# Allegro board HB1A-AAFM.brd (continued)
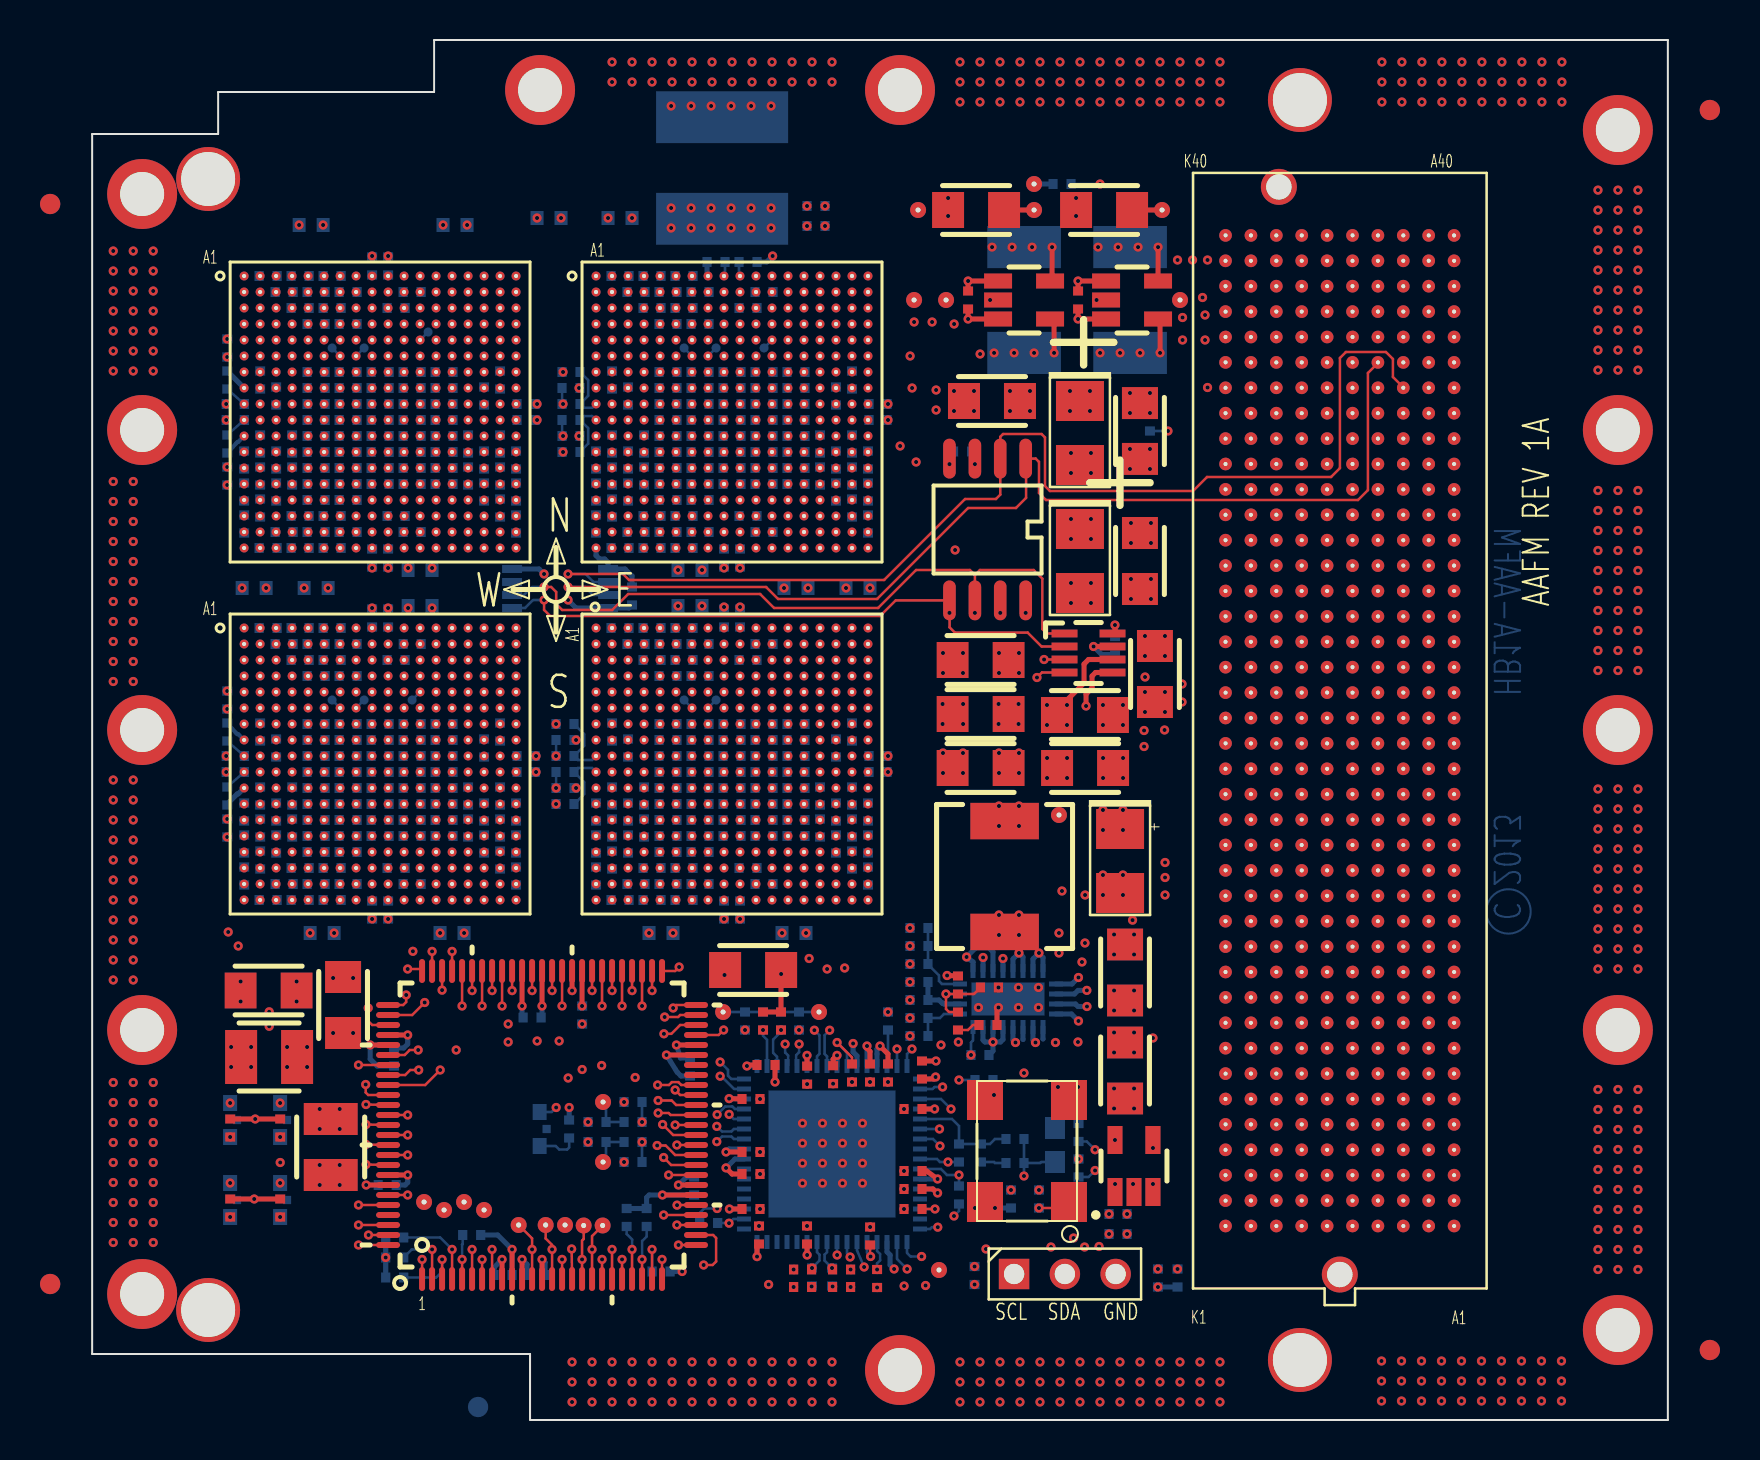
[diagram p0: board, top side]
## Routing (per net, layer and track width the routed paths; a pad name or vN(x,y) marks a point on that pad's centre or on a via; arc(x,y) is an arc through that point) (continued)
LR_TXO_EA_DATA_N_3: length 44.8
  SIGNAL_L7-Y w0.089: v1(53.05,19.1) 52.1,20.05 50.8,20.05 50.25,20.6 50.25,20.85 50.01,21.09 48.54,21.09 47.75,21.88 47.75,23.62 47.58,23.8 46.13,23.8 45.93,23.6 44.87,23.6 44.78,23.69 44.78,24.41 44.69,24.5 44.51,24.5 44.42,24.41 44.42,23.69 44.33,23.6 44.16,23.6 44.07,23.69 44.07,24.41 43.98,24.5 43.8,24.5 43.71,24.41 43.71,23.69 43.62,23.6 43.05,23.6 42.73,23.93 42.73,24.88 42.1,25.5 41.98,25.5 40.53,26.95 40.53,27.2 40.62,27.28 41.17,27.28 41.25,27.37 41.25,27.55 41.17,27.64 40.62,27.64 40.53,27.73 40.53,27.91 40.62,28 41.17,28 41.25,28.09 41.25,28.26 41.17,28.35 40.62,28.35 40.53,28.44 40.53,30.7 41.18,31.35 41.18,34.4 40.6,34.98 40.6,36.52 39.93,37.2 U8.D18
  SIGNAL_L8-X w0.089: P1.F8 61.74,18.59 61.26,18.11 54.29,18.11 53.65,18.75 53.4,18.75 v1(53.05,19.1)
LR_TXO_EA_DATA_N_4: length 44.7
  SIGNAL_L14-Y w0.114: v1(54.5,35.9) 54.5,32.02 54.1,31.62 54.1,25.89 53.84,25.62 53.84,23.59 55.35,22.07 56.03,22.07 56.3,21.8 56.85,21.8 57.28,21.38 57.28,18.32 57.6,18 62.35,18 P1.E7
  SIGNAL_L15-X w0.114: v1(54.5,35.9) 52.2,35.9 51.8,36.3 40.81,36.3 40.53,36.02 36.79,36.02 36.41,36.4 U8.E15
LR_TXO_EA_DATA_N_5: length 44.7
  SIGNAL_L14-Y w0.114: v1(54.5,36.8) 55.8,36.8 56.03,36.57 56.03,29.89 55.91,29.77 55.3,29.77 55.18,29.65 55.18,29.41 55.3,29.29 55.91,29.29 56.03,29.17 56.03,28.93 55.91,28.81 55.3,28.81 55.18,28.69 55.18,28.45 55.3,28.33 55.91,28.33 56.03,28.21 56.03,27.97 55.91,27.85 55.3,27.85 55.18,27.73 55.18,27.49 55.3,27.37 55.91,27.37 56.03,27.25 56.03,26.44 55.41,25.82 54.6,25.82 54.48,25.7 54.48,25.46 54.6,25.34 55.41,25.34 55.53,25.22 55.53,24.98 55.41,24.86 54.6,24.86 54.48,24.74 54.48,24.5 54.6,24.38 55.41,24.38 55.53,24.26 55.53,24.02 55.41,23.9 54.6,23.9 54.48,23.78 54.48,23.45 54.93,23 56.08,23 P1.K11
  SIGNAL_L15-X w0.114: v1(54.5,36.8) 53.66,36.8 52.85,37.6 47.16,37.6 46.98,37.77 41.25,37.77 40.28,36.8 37.58,36.8 37.2,37.18 U8.D16
LR_TXO_EA_DATA_N_6: length 45
  SIGNAL_L7-Y w0.089: U8.C17 38.4,37.6 40.16,37.6 40.95,36.8 40.95,35.17 41.48,34.65 41.48,30.93 41.63,30.77 41.63,30.54 41.54,30.45 40.87,30.45 40.78,30.37 40.78,30.19 40.87,30.1 41.54,30.1 41.63,30.01 41.63,29.83 41.54,29.74 40.87,29.74 40.78,29.65 40.78,29.48 40.87,29.39 41.54,29.39 41.63,29.3 41.63,29.12 41.54,29.03 40.87,29.03 40.78,28.94 40.78,28.76 40.87,28.68 41.54,28.68 41.63,28.59 41.63,26.32 41.77,26.19 41.89,26.19 42.37,26.66 42.49,26.66 42.62,26.54 42.62,26.41 42.14,25.94 42.14,25.81 42.27,25.68 42.39,25.68 42.87,26.16 42.99,26.16 43.12,26.03 43.12,25.91 42.65,25.43 42.65,25.31 43.16,24.8 43.44,24.8 43.53,24.89 43.53,25.09 43.62,25.18 43.8,25.18 43.89,25.09 43.89,24.89 43.98,24.8 44.35,24.8 44.44,24.89 44.44,25.36 44.53,25.45 44.7,25.45 44.79,25.36 44.79,24.89 45.06,24.62 47.25,24.62 48.03,23.85 48.72,23.85 48.81,23.94 48.81,24.74 48.9,24.82 49.08,24.82 49.17,24.74 49.17,23.94 49.26,23.85 v1(49.65,23.85)
  SIGNAL_L8-X w0.089: P1.J10 57.93,21.13 57.37,20.57 54.51,20.57 53.57,21.51 53.57,21.68 53.86,21.97 53.86,22.14 53.69,22.31 53.52,22.31 53.23,22.02 53.06,22.02 52.75,22.32 51.17,22.32 v1(49.65,23.85)
LR_TXO_EA_DATA_N_7: length 44.8
  SIGNAL_L7-Y w0.089: v1(48.5,26.45) 48.5,26.91 45.91,29.5 45.91,33.64 45.78,33.76 45.75,33.76 45.63,33.88 45.63,34.12 45.75,34.24 45.78,34.24 45.91,34.36 45.91,36.22 45.78,36.34 45.45,36.34 45.33,36.46 45.33,36.7 45.45,36.82 45.78,36.82 45.91,36.94 45.91,37.67 45.73,37.85 42.17,37.85 42.09,37.94 42.09,38.31 42,38.4 41.82,38.4 41.73,38.31 41.73,37.94 41.64,37.85 41.1,37.85 40.88,38.08 40.88,39.5 40.61,39.77 40.39,39.77 40.27,39.89 40.27,41.38 40.15,41.5 39.91,41.5 39.79,41.38 39.79,41.02 39.67,40.9 38.33,40.9 38.2,40.78 38.2,40.54 38.33,40.42 39.67,40.42 39.79,40.3 39.79,39.89 39.67,39.77 39.35,39.77 39.23,39.65 39.23,39.23 U8.B18
  SIGNAL_L8-X w0.089: v1(48.5,26.45) 48.88,26.45 49.58,25.75 52.03,25.75 54.59,23.19 60.96,23.19 61.75,22.4 P1.F11
LR_TXO_EA_DATA_P_0: length 44.9
  SIGNAL_L5-X w0.114: U8.H15 36.4,34 36,33.6 36,25.65 36.28,25.38 36.5,25.38 36.75,25.12 v1(36.75,22.55)
  SIGNAL_L15-X w0.114: P1.E2 63.03,10.97 62.41,11.6 55.45,11.6 54.78,12.28 52.16,12.28 50.16,14.28 47.58,14.28 46.48,15.38 46.48,16.02 44.95,17.55 41.91,17.55 41.6,17.85 41.6,19.27 41.25,19.62 38.7,19.62 36.75,21.57 v1(36.75,22.55)
LR_TXO_EA_DATA_P_1: length 45
  SIGNAL_L8-X w0.089: v1(52.6,33.67) 51.66,33.67 51,34.33 49.77,34.33 49.68,34.41 49.68,34.79 49.59,34.88 49.41,34.88 49.33,34.79 49.33,34.41 49.24,34.33 47.23,34.33 47.16,34.4 37.6,34.4 U8.G16
  SIGNAL_L14-Y w0.114: P1.K7 53.76,17.32 53.55,17.52 50.98,17.52 50.35,18.15 50.35,23.77 49.15,24.98 49.15,26.9 49.03,27.02 48.52,27.02 48.41,27.14 48.41,27.38 48.52,27.5 49.03,27.5 49.15,27.62 49.15,27.86 49.03,27.98 48.52,27.98 48.41,28.1 48.41,28.34 48.52,28.46 49.03,28.46 49.15,28.58 49.15,28.87 48.93,29.09 48.93,29.33 49.05,29.45 49.16,29.45 49.28,29.57 49.28,32.38 49.49,32.59 52.02,32.59 52.6,33.17 v1(52.6,33.67)
LR_TXO_EA_DATA_P_2: length 44.9
  SIGNAL_L7-Y w0.089: v1(46.6,17.35) 46.05,17.35 45.85,17.15 45.06,17.15 44.94,17.27 44.94,18.18 44.82,18.3 44.58,18.3 44.46,18.18 44.46,17.27 44.34,17.15 43.85,17.15 43.45,17.55 41.85,17.55 41.61,17.79 41.61,19.27 41.29,19.59 40.47,19.59 40.19,19.86 40.19,20.7 39.3,21.59 39.3,22.15 39.21,22.24 38.44,22.24 38.35,22.32 38.35,22.5 38.44,22.59 39.21,22.59 39.3,22.68 39.3,22.86 39.21,22.95 38.44,22.95 38.35,23.04 38.35,23.21 38.44,23.3 39.21,23.3 39.3,23.39 39.3,23.57 39.21,23.66 38.44,23.66 38.35,23.75 38.35,23.93 38.44,24.02 39.21,24.02 39.3,24.11 39.3,35 39.1,35.2 38.4,35.2 U8.F17
  SIGNAL_L8-X w0.089: v1(46.6,17.35) 46.85,17.1 52.35,17.1 52.8,16.66 53.91,16.66 54.35,17.1 55.75,17.1 56.25,16.6 57.4,16.6 P1.J6
LR_TXO_EA_DATA_P_3: length 44.7
  SIGNAL_L7-Y w0.089: v1(43.32,18.9) 43.34,18.93 43.7,18.93 43.88,19.1 43.88,19.69 43.79,19.78 43.17,19.78 43.08,19.87 43.08,20.05 43.17,20.14 43.79,20.14 43.88,20.23 43.88,20.4 43.79,20.49 43.17,20.49 43.08,20.58 43.08,20.76 43.17,20.85 43.79,20.85 43.88,20.94 43.88,21.57 43.66,21.8 41.88,21.8 41.33,22.35 41.33,25.23 40.48,26.07 40.16,26.07 39.91,26.32 39.91,31.23 40.55,31.88 40.55,33.98 39.98,34.55 39.98,36 39.58,36.4 U8.E18
  SIGNAL_L8-X w0.089: v1(43.32,18.9) 43.58,18.64 44.11,18.64 44.79,17.96 47.05,17.96 47.29,17.72 52.27,17.72 52.9,18.35 53.6,18.35 54.15,17.8 61.3,17.8 61.76,17.34 P1.F7
LR_TXO_EA_DATA_P_4: length 45
  SIGNAL_L5-X w0.114: v1(35.85,23.07) 35.16,23.77 35.16,24.85 34.41,25.6 34.41,34.25 34.55,34.4 34.95,34.4 35.2,34.65 35.2,35.1 35.3,35.2 36,35.2 36.4,35.59 U8.F15
  SIGNAL_L15-X w0.114: P1.E6 62.41,16.68 54.91,16.68 53.66,17.93 46.35,17.93 45.6,18.68 45.6,19.15 44.78,19.98 42.88,19.98 41.41,21.45 39.8,21.45 38.18,23.07 v1(35.85,23.07)
LR_TXO_EA_DATA_P_5: length 45.1
  SIGNAL_L8-X w0.089: v1(53.63,34.5) 54.03,34.9 54.03,35.77 53.83,35.98 52.35,35.98 50.68,37.65 49.6,37.65 49.51,37.56 49.51,37.31 49.42,37.23 49.25,37.23 49.16,37.31 49.16,37.56 49.07,37.65 46.98,37.65 46.73,37.9 41.33,37.9 39.44,36.01 37.59,36.01 37.2,36.4 U8.E16
  SIGNAL_L14-Y w0.114: v1(53.63,34.5) 53.63,32.02 52.6,31 52.6,22.27 52.89,21.99 53.06,21.99 53.42,22.34 53.59,22.34 53.76,22.17 53.76,22 53.4,21.65 53.4,21.48 53.75,21.13 54.04,21.13 54.16,21.01 54.16,19.62 54.28,19.5 54.52,19.5 54.64,19.62 54.64,21.01 54.76,21.13 55,21.13 55.12,21.01 55.12,19.62 55.24,19.5 55.48,19.5 55.6,19.62 55.6,21.01 55.72,21.13 P1.K10
LR_TXO_EA_DATA_P_6: length 44.9
  SIGNAL_L7-Y w0.089: v1(49.3,18.9) 48.94,19.27 48.11,19.27 48.02,19.35 48.02,19.66 47.94,19.75 47.76,19.75 47.67,19.66 47.67,19.35 47.58,19.27 47.14,19.27 46.9,19.5 46.9,22.43 46.65,22.68 46.13,22.68 46.04,22.59 46.04,22.14 45.95,22.05 45.77,22.05 45.68,22.14 45.68,22.59 45.59,22.68 45.42,22.68 45.33,22.59 45.33,22.14 45.24,22.05 45.06,22.05 44.97,22.14 44.97,22.59 44.88,22.68 44.7,22.68 44.62,22.59 44.62,22.14 44.53,22.05 44.35,22.05 44.26,22.14 44.26,22.59 44.17,22.68 43.99,22.68 43.9,22.59 43.9,22.14 43.81,22.05 43.64,22.05 43.55,22.14 43.55,22.59 43.46,22.68 42.23,22.68 41.6,23.3 41.6,23.76 41.69,23.85 42.27,23.85 42.35,23.94 42.35,24.12 42.27,24.21 41.69,24.21 41.6,24.3 41.6,24.47 41.69,24.56 42.27,24.56 42.35,24.65 42.35,24.83 42.27,24.92 41.69,24.92 41.6,25.01 41.6,25.45 40.2,26.85 40.2,30.93 40.88,31.6 40.88,34.12 40.28,34.73 40.28,36.2 39.68,36.8 38.4,36.8 U8.D17
  SIGNAL_L8-X w0.089: v1(49.3,18.9) 50.3,19.9 55.78,19.9 56.3,19.38 57.48,19.38 57.95,19.85 P1.J9
LR_TXO_EA_DATA_P_7: length 45.1
  SIGNAL_L7-Y w0.089: U8.C18 39.84,38 39.96,38.12 39.96,39.23 40.08,39.35 40.32,39.35 40.44,39.23 40.44,37.94 41.28,37.1 41.28,35.42 41.91,34.8 41.91,27.75 42.24,27.41 42.37,27.41 42.67,27.71 42.8,27.71 42.92,27.58 42.92,27.46 42.62,27.16 42.62,27.03 43.08,26.57 43.55,26.57 44.38,25.75 44.92,25.75 45.01,25.84 45.01,26.66 45.1,26.75 45.27,26.75 45.36,26.66 45.36,25.84 45.45,25.75 45.63,25.75 45.72,25.84 45.72,26.66 45.81,26.75 45.99,26.75 46.08,26.66 46.08,25.84 46.16,25.75 47.28,25.75 47.91,25.12 50.05,25.12 50.28,24.9 50.28,23.68 v1(49.5,22.9)
  SIGNAL_L8-X w0.089: P1.F10 61.73,21.13 61.25,20.65 58.35,20.65 58.05,20.35 54.05,20.35 52.48,21.93 50.47,21.93 v1(49.5,22.9)
LR_TXO_EA_FRAME_N: length 44.8
  SIGNAL_L12-X w0.089: P1.E10 63.02,21.13 62.35,21.8 60.2,21.8 59.85,22.15 59.85,22.6 59.4,23.05 54.14,23.05 54.05,22.96 54.05,22.76 53.96,22.68 53.78,22.68 53.7,22.76 53.7,22.96 53.61,23.05 53.25,23.05 52.55,23.75 50.53,23.75 49.98,24.3 49.05,24.3 48.55,24.81 48.55,24.93 48.93,25.32 48.93,25.44 48.81,25.57 48.68,25.57 48.3,25.18 48.17,25.18 47.91,25.45 47.91,26.05 47.6,26.36 47.6,27.16 47.48,27.27 47.24,27.27 47.12,27.16 47.12,26.36 47,26.23 46.76,26.23 46.64,26.36 46.64,27.16 46.52,27.27 46.28,27.27 46.16,27.16 46.16,26.36 46.04,26.23 45.8,26.23 45.68,26.36 45.68,27.16 45.56,27.27 45.32,27.27 45.2,27.16 45.2,26.36 45.08,26.23 44.84,26.23 44.72,26.36 44.72,27.16 44.6,27.27 44.36,27.27 44.24,27.16 44.24,26.36 44.12,26.23 43.88,26.23 43.76,26.36 43.76,27.16 43.64,27.27 43.4,27.27 43.28,27.16 43.28,26.36 43.16,26.23 42.39,26.23 39.03,29.6 36.95,29.6 36.8,29.75 36.8,32.8 U8.J15
LR_TXO_EA_FRAME_P: length 44.8
  SIGNAL_L12-X w0.089: U8.K15 35.98,31.98 35.98,29.01 36.2,28.8 39.1,28.8 39.1,28.77 40.09,27.79 40.09,27.62 39.35,26.88 39.35,26.71 39.52,26.54 39.69,26.54 40.43,27.28 40.6,27.28 40.77,27.11 40.77,26.94 40.03,26.2 40.03,26.03 40.2,25.86 40.37,25.86 41.11,26.6 41.28,26.6 42,25.88 43.15,25.88 43.27,25.75 43.27,25.09 43.39,24.98 43.63,24.98 43.75,25.09 43.75,25.75 43.87,25.88 44.11,25.88 44.23,25.75 44.23,25.09 44.35,24.98 44.59,24.98 44.71,25.09 44.71,25.75 44.83,25.88 46.68,25.88 47.85,24.7 47.85,21.7 48.5,21.05 52.45,21.05 52.95,20.55 53.52,20.55 53.61,20.64 53.61,20.81 53.7,20.9 53.88,20.9 53.97,20.81 53.97,20.64 54.06,20.55 54.23,20.55 54.32,20.64 54.32,20.81 54.41,20.9 54.59,20.9 54.68,20.81 54.68,20.64 54.77,20.55 62.35,20.55 63.03,19.87 P1.E9
LR_TXO_EA_LCLK_N: length 44.9
  SIGNAL_L8-X w0.089: P1.F5 62.53,15.55 62.53,32.75 62.16,33.12 56.53,33.12 55.68,33.98 53.43,33.98 53.16,34.25 53.16,35.52 52.91,35.77 52.13,35.77 51.18,36.73 40.6,36.73 39.48,35.6 U8.F18
LR_TXO_EA_LCLK_P: length 45.1
  SIGNAL_L8-X w0.089: P1.F4 61.16,14.12 61.16,16.38 61.41,16.62 62.03,16.62 62.28,16.88 62.28,31.62 61.91,32 56.43,32 56.13,32.3 56.13,32.58 55.05,33.65 53.23,33.65 52.78,34.1 51.6,34.1 51.03,34.67 51.03,35.05 50.8,35.27 44.62,35.27 44.53,35.19 44.53,35.09 44.44,35 44.27,35 44.18,35.09 44.18,35.19 44.09,35.27 41.91,35.27 41.43,34.8 U8.G18
LR_UR_NS_DATA_N_0: length 29.1
  SIGNAL_L15-X w0.114: U4.V3 26.28,43.08 25.59,43.08 24.68,42.17 24.68,41.04 25.54,40.18 26.12,40.18 26.4,39.9 26.4,39.4 26.6,39.2 27,39.2 27.2,39 27.2,38.6 27.4,38.4 27.8,38.4 28,38.2 28,37.8 28.2,37.6 28.6,37.6 28.8,37.4 28.8,37 29,36.8 29.4,36.8 29.6,36.6 29.6,36.2 29.8,36 30.2,36 30.4,35.8 30.4,35.4 30.6,35.2 31,35.2 31.2,35 31.2,34.6 31.4,34.4 31.8,34.4 32,34.2 32,33.8 32.2,33.6 32.6,33.6 32.8,33.4 32.8,33 33,32.8 35,32.8 35.2,33 35.2,33.4 35,33.6 33,33.6 32.8,33.8 32.8,34.2 33,34.4 34.2,34.4 34.4,34.6 34.4,35 34.2,35.2 33.7,35.2 33.6,35.3 33.6,35.8 33.4,36 33,36 32.8,36.2 32.8,36.8 U8.D11
LR_UR_NS_DATA_N_1: length 29.2
  SIGNAL_L12-X w0.089: U4.U4 27.4,44 27.2,43.8 27.2,43.15 26.99,42.94 25.77,42.94 24.8,41.98 24.8,41.35 25.93,40.22 26.38,40.22 26.6,40 27,40 27.2,39.8 27.2,39.4 27.4,39.2 27.8,39.2 28,39 28,38.6 28.2,38.4 28.6,38.4 28.8,38.6 28.8,39 28.6,39.2 28.2,39.2 28,39.4 28,39.85 28.15,40 30.14,40 30.41,39.73 30.41,35.38 30.6,35.2 31,35.2 31.2,35.4 31.2,39.77 31.42,40 32.65,40 32.8,39.85 32.8,38.6 33,38.4 33.4,38.4 33.6,38.2 U8.C12
LR_UR_NS_DATA_N_2: length 29.4
  SIGNAL_L12-X w0.089: U8.B13 34.4,39.2 34.4,39.75 35.64,40.99 35.86,40.99 35.98,40.87 35.98,40.57 36.1,40.45 36.34,40.45 36.46,40.57 36.46,40.87 36.58,40.99 36.82,40.99 36.94,40.87 36.94,40.57 37.06,40.45 37.3,40.45 37.42,40.57 37.42,40.87 37.54,40.99 37.99,40.99 38.15,41.15 38.15,42.1 37.93,42.32 34.35,42.32 33.13,41.1 30.3,41.1 30.11,40.91 30.11,40.56 30.02,40.47 29.78,40.47 29.7,40.55 29.7,40.95 29.55,41.1 29.14,41.1 28.7,40.66 26.18,40.66 25.35,41.49 25.35,41.9 25.58,42.13 25.58,42.13 25.95,42.5 27.3,42.5 27.78,42.98 28.48,42.98 28.8,43.3 28.8,44.8 U4.T5
LR_UR_NS_DATA_N_3: length 29.2
  SIGNAL_L12-X w0.089: U4.R6 29.6,45.6 29.6,44.2 29.8,44 30.2,44 30.4,43.8 30.4,43.35 30.2,43.15 29.9,43.15 29.7,42.95 29.7,42.3 29.51,42.11 29.14,42.11 28.95,42.3 28.25,42.3 27.65,41.7 27.65,41.45 27.78,41.32 28.32,41.32 28.76,41.76 30.41,41.76 30.86,42.21 32.81,42.21 33.8,43.2 34.15,43.2 34.37,42.98 39.29,42.98 39.69,42.58 39.69,40.26 39.25,39.82 39.25,39.38 39.06,39.2 37.8,39.2 37.6,39 37.6,38.6 37.4,38.4 37,38.4 36.8,38.6 36.8,39.05 36.65,39.2 36,39.2 U8.A14
LR_UR_NS_DATA_N_4: length 29.4
  SIGNAL_L12-X w0.089: U4.V5 28,43.2 27.65,43.2 27.17,42.72 25.86,42.72 25.07,41.93 25.07,41.43 26.06,40.44 26.55,40.44 26.77,40.22 32.6,40.22 34.48,42.1 36.05,42.1 36.2,41.95 36.2,41.6 36.3,41.5 36.6,41.5 36.7,41.6 36.7,41.8 36.85,41.95 37,41.95 37.15,41.8 37.15,41.41 36.95,41.21 35.41,41.21 34.92,40.72 34.75,40.72 34.27,41.2 34.1,41.2 33.93,41.03 33.93,40.86 34.41,40.38 34.41,40.21 34.25,40.05 34.1,40.05 33.61,40.54 33.44,40.54 33.3,40.4 33.3,40.15 33.6,39.85 33.6,38.6 33.8,38.4 34.2,38.4 34.4,38.2 34.4,37.6 U8.D13
LR_UR_NS_DATA_N_5: length 29.1
  SIGNAL_L12-X w0.089: U4.U6 29.4,44 29.6,43.8 29.6,43.4 28.74,42.54 28.14,42.54 27.66,42.06 26.65,42.06 26.4,41.81 26.4,41.2 26.5,41.1 26.71,41.1 26.83,41.22 26.83,41.63 26.95,41.75 27.19,41.75 27.31,41.63 27.31,41.22 27.43,41.1 28.43,41.1 28.87,41.54 30.59,41.54 31.04,41.99 32.94,41.99 33.71,42.76 39.2,42.76 39.47,42.49 39.47,40.35 39.1,39.98 35.38,39.98 35.2,39.8 35.2,38.6 35.4,38.4 U8.C14
LR_UR_NS_DATA_N_6: length 29.1
  SIGNAL_L15-X w0.114: U4.T7 29.6,45.6 29.6,47 29.8,47.2 32.6,47.2 32.8,47 32.8,45 33,44.8 33.4,44.8 33.6,45 33.6,45.4 33.8,45.6 34.2,45.6 34.4,45.8 34.4,46.2 34.6,46.4 39.2,46.4 40.33,45.27 40.62,45.27 41.04,44.85 41.04,39.84 40.79,39.59 40.79,38.79 40.4,38.4 39.8,38.4 39.7,38.3 39.7,37.95 39.6,37.85 39.35,37.85 39.25,37.95 39.25,38.25 39.1,38.4 36.8,38.4 U8.B15
LR_UR_NS_DATA_N_7: length 29.1
  SIGNAL_L15-X w0.114: U4.R8 31.2,45.6 31.2,43.4 31.38,43.22 34.22,43.22 34.4,43.4 34.4,43.79 34.61,44 35,44 35.2,43.8 35.2,43.41 35.4,43.22 35.81,43.22 36,43.4 36,43.8 36.2,44 36.6,44 36.8,43.8 36.8,43.41 37,43.22 37.41,43.22 37.6,43.4 37.6,43.8 37.8,44 38.2,44 38.4,43.8 38.4,43.41 38.6,43.22 39,43.22 39.19,43.4 39.19,44.44 39.35,44.6 39.6,44.6 39.75,44.45 39.75,42.65 39.85,42.55 40.05,42.55 40.15,42.65 40.15,44.45 40.29,44.59 40.46,44.59 40.6,44.45 40.6,40.2 40.3,39.9 40,39.9 39.55,39.45 39.35,39.45 39.2,39.6 39.2,39.85 39.05,40 37.6,40 U8.A16
LR_UR_NS_DATA_P_0: length 29.2
  SIGNAL_L15-X w0.114: U4.V2 25.7,43.3 25.5,43.3 25.3,43.1 25,43.1 24.3,42.4 24.3,40.8 24.8,40.3 25.1,40.3 25.6,39.8 25.6,39.4 25.8,39.2 26.2,39.2 26.4,39 26.4,38.6 26.6,38.4 27,38.4 27.2,38.2 27.2,37.8 27.4,37.6 27.8,37.6 28,37.4 28,37 28.2,36.8 28.6,36.8 28.8,36.6 28.8,36.2 29,36 29.4,36 29.6,35.8 29.6,35.4 29.8,35.2 30.2,35.2 30.4,35 30.4,34.6 30.6,34.4 31,34.4 31.2,34.2 31.2,33.8 31.4,33.6 31.8,33.6 32,33.4 32,33 32.2,32.8 32.6,32.8 32.8,32.6 32.8,32.2 33,32 35,32 35.2,32.2 35.2,32.6 35.4,32.8 36.6,32.8 36.8,33 36.8,33.4 36.6,33.6 35.4,33.6 35.2,33.8 35.2,35.8 35,36 34.6,36 34.4,36.2 34.4,36.6 34.2,36.8 U8.D12
LR_UR_NS_DATA_P_1: length 29.1
  SIGNAL_L15-X w0.114: U4.U3 27.2,44 27.2,43.4 26.66,42.86 25.68,42.86 24.9,42.08 24.9,41.13 25.63,40.4 27,40.4 27.2,40.2 27.2,39.4 27.4,39.2 27.8,39.2 28,39 28,38.6 28.2,38.4 28.6,38.4 28.8,38.2 28.8,37.8 29,37.6 29.4,37.6 29.6,37.4 29.6,37 29.81,36.78 30.21,36.78 30.4,36.6 30.4,36.2 30.6,36 31,36 31.2,35.8 31.2,35.4 31.4,35.2 31.8,35.2 32,35 32,34.6 32.2,34.4 32.6,34.4 32.8,34.6 32.8,35.8 32.6,36 31.4,36 31.2,36.2 31.2,36.6 31,36.8 30.6,36.8 30.4,37 30.4,37.4 30.2,37.6 29.8,37.6 29.6,37.8 29.6,38.2 29.8,38.4 34.4,38.4 U8.C13
LR_UR_NS_DATA_P_2: length 29.3
  SIGNAL_L15-X w0.114: U8.B14 35.4,39.2 35.2,39.4 35.2,39.84 35.04,40 34.05,40 33.9,40.15 33.9,41.05 34.03,41.19 35.09,41.19 35.4,40.88 36.62,40.88 36.74,41 36.74,41.33 36.86,41.45 37.1,41.45 37.22,41.33 37.22,41 37.34,40.88 38,40.88 38.2,41.08 38.2,41.85 38.06,41.99 33.9,41.99 33.22,41.31 28.69,41.31 28.25,40.87 25.79,40.87 25.34,41.31 25.34,41.89 25.86,42.41 27.51,42.41 28,42.9 28,44.6 27.8,44.8 U4.T4
LR_UR_NS_DATA_P_3: length 29.3
  SIGNAL_L15-X w0.114: U4.R5 28,45.6 28,45 28.2,44.8 29.36,44.8 29.4,44.8 29.6,44.6 29.6,43.4 29.38,43.17 28.99,43.17 27.78,41.97 26.04,41.97 25.78,41.71 25.78,41.53 26.01,41.31 26.15,41.31 26.39,41.55 26.6,41.55 26.84,41.31 26.97,41.31 27.21,41.55 27.45,41.55 27.69,41.31 27.91,41.31 28.35,41.75 32.75,41.75 33.43,42.43 38.77,42.43 39.3,41.9 39.3,41.35 39.15,41.2 38.9,41.2 38.81,41.11 38.81,40.94 38.9,40.85 39.2,40.85 39.3,40.75 39.3,40.55 39.19,40.44 36.55,40.44 36.4,40.29 U8.A15
LR_UR_NS_DATA_P_4: length 29.2
  SIGNAL_L15-X w0.114: U8.D14 35.2,37.6 35.2,39 35,39.2 28.2,39.2 28,39.4 28,39.8 28.2,40 30.6,40 30.75,40.15 33.35,40.15 33.6,40.4 33.6,40.7 33.21,41.09 28.89,41.09 28.45,40.65 25.7,40.65 25.12,41.22 25.12,41.99 25.77,42.63 27.23,42.63 27.6,43 U4.V4
LR_UR_NS_DATA_P_5: length 29.1
  SIGNAL_L15-X w0.114: U4.U5 28.8,44 28.8,43.3 27.69,42.19 25.95,42.19 25.56,41.8 25.56,41.44 25.91,41.09 28.09,41.09 28.53,41.53 33,41.53 33.68,42.21 38.24,42.21 38.48,41.98 38.48,40.84 38.3,40.66 35.31,40.66 35,40.97 34.5,40.97 34.25,40.72 34.25,40.45 34.48,40.22 35.68,40.22 36,39.9 36,38.4 U8.C15
LR_UR_NS_DATA_P_6: length 29.1
  SIGNAL_L15-X w0.114: U8.B16 36.8,39.2 36.8,39.9 37.12,40.22 40.22,40.22 40.3,40.3 40.3,40.49 40.2,40.6 39.62,40.6 39.52,40.7 39.52,40.92 39.6,41 40.2,41 40.3,41.1 40.3,41.3 40.2,41.4 39.62,41.4 39.52,41.5 39.52,41.72 39.6,41.8 40.2,41.8 40.3,41.9 40.3,42.07 40.19,42.19 39.61,42.19 39.4,42.4 39.4,42.85 39.25,42.99 38.26,42.99 38.02,42.75 35.88,42.75 35.63,42.99 35.4,42.99 35.16,42.75 34.91,42.75 34.67,42.99 34.44,42.99 34.2,42.75 33.95,42.75 33.71,42.99 33.49,42.99 32.6,42.1 32.2,42.1 32,42.3 32,42.84 31.85,42.99 31.34,42.99 31.2,42.85 31.2,42.3 31,42.1 28.9,42.1 28.7,42.3 28.7,42.58 29.06,42.94 30.14,42.94 30.4,43.2 30.4,44.6 30.2,44.8 29.8,44.8 29.6,45 U4.T6
LR_UR_NS_DATA_P_7: length 29.2
  SIGNAL_L15-X w0.114: U4.R7 30.4,46.4 31.8,46.4 32,46.2 32,44.2 32.2,44 34.2,44 34.4,44.2 34.4,45.38 34.62,45.6 35,45.6 35.2,45.4 35.2,44.2 35.4,44 35.8,44 36,44.2 36,45.4 36.2,45.6 36.6,45.6 36.8,45.4 36.8,44.2 37,44 37.4,44 37.6,44.2 37.6,45.4 37.8,45.6 39,45.6 39.65,44.95 40.6,44.95 40.82,44.73 40.82,40.02 40.57,39.77 40.57,39.02 40.25,38.7 39.95,38.7 39.45,39.2 38.4,39.2 U8.A17
LR_UR_NS_FRAME_N: length 30.7
  SIGNAL_L12-X w0.089: U8.D9 32.15,36.8 32.55,36.8 32.8,36.55 32.8,36.25 33.05,36 33.4,36 33.6,35.8 33.6,35.4 33.8,35.2 39.1,35.2 39.9,36 39.9,37.25 40.57,37.92 40.57,44.13 39.47,45.23 39.47,45.93 39.02,46.38 32.98,46.38 32.8,46.2 32.8,45.8 32.6,45.6 31.4,45.6 31.2,45.4 31.2,45.05 U4.U8
LR_UR_NS_FRAME_P: length 30.6
  SIGNAL_L8-X w0.089: U8.D10 32,36.8 29.8,36.8 29.6,36.6 29.6,36.2 29.4,36 29,36 28.8,36.2 28.8,36.6 28.6,36.8 28.2,36.8 28,37 28,37.4 27.8,37.6 27.4,37.6 27.2,37.8 27.2,38.2 27,38.4 26.6,38.4 26.4,38.6 26.4,39 26.2,39.2 25.8,39.2 25.6,39.4 25.6,39.8 25.25,40.15 25.05,40.15 24.25,40.95 24.25,41.95 25.6,43.3 25.6,43.8 25.8,44 26.2,44 26.4,44.2 26.4,44.6 26.6,44.8 27,44.8 27.2,45 27.2,45.4 27.4,45.6 27.8,45.6 28,45.8 28,46.2 28.2,46.4 28.6,46.4 28.8,46.6 28.8,47 29,47.2 29.4,47.2 29.6,47.4 29.6,47.8 29.8,48 30.2,48 30.4,48.2 30.4,48.6 30.6,48.8 31.05,48.8 31.2,48.65 31.2,44.2 31,44 30.4,44 U4.U7
LR_UR_NS_LCLK_N: length 29.3
  SIGNAL_L8-X w0.089: U8.A12 33.6,39.8 33.4,40 33.05,40 32.8,40.25 31.65,40.25 31.2,39.8 31.2,39.4 31,39.2 30.6,39.2 30.4,39 30.4,37.8 30.2,37.6 29.8,37.6 29.6,37.4 29.6,37 29.4,36.8 29,36.8 28.8,37 28.8,37.4 28.6,37.6 28.2,37.6 28,37.8 28,38.2 27.8,38.4 27.4,38.4 27.2,38.6 27.2,39 27,39.2 26.6,39.2 26.4,39.4 26.4,39.8 26.2,40 25.71,40 24.52,41.19 24.52,41.91 25.81,43.2 26.2,43.2 26.4,43.4 26.4,43.8 26.6,44 27,44 27.2,44.2 27.2,44.6 27.4,44.8 27.8,44.8 28,45 28,45.4 28.2,45.6 28.6,45.6 28.8,45.8 28.8,46.2 29,46.4 29.4,46.4 29.6,46.6 29.6,47 29.8,47.2 30.2,47.2 30.4,47 30.4,45.01 30.2,44.8 29.8,44.8 29.6,44.6 29.6,44 U4.V7
LR_UR_NS_LCLK_P: length 29.3
  SIGNAL_L12-X w0.089: U8.A13 35,39.95 35.25,40.2 37.5,40.2 37.65,40.35 37.65,40.65 37.77,40.77 38,40.77 38.1,40.67 38.1,40.35 38.24,40.2 38.9,40.2 39.2,40.51 39.2,41.05 39.05,41.2 38.65,41.2 38.51,41.35 38.51,41.9 38.66,42.05 39.1,42.05 39.25,42.2 39.25,42.4 39.11,42.54 34.2,42.54 32.98,41.32 32.8,41.32 32.65,41.47 32.65,41.65 32.55,41.75 32.3,41.75 32.2,41.65 32.2,41.45 32.07,41.32 31.83,41.32 31.71,41.44 31.71,41.63 31.59,41.75 31.35,41.75 31.23,41.63 31.23,41.44 31.11,41.32 29,41.32 28.56,40.88 26.27,40.88 26.1,41.05 26.1,41.4 26,41.5 25.81,41.5 25.66,41.65 25.66,41.89 25.81,42.05 26.1,42.05 26.33,42.28 27.48,42.28 27.96,42.76 28.61,42.76 29.05,43.2 U4.V6
LR_UR_NS_RD_WAIT_N: length 29.3
  SIGNAL_L8-X w0.089: U8.B11 33.6,38.4 34.2,38.4 34.4,38.6 34.4,39 34.6,39.2 35,39.2 35.2,39 35.2,38.6 35.4,38.4 35.8,38.4 36,38.6 36,39 36.2,39.2 36.6,39.2 36.8,39 36.8,38.65 37.05,38.4 37.4,38.4 37.6,38.6 37.6,39 37.8,39.2 38.2,39.2 38.4,39 38.4,38.6 38.6,38.4 39,38.4 39.25,38.65 39.25,39.14 39.47,39.36 39.47,39.71 40.13,40.37 40.13,44.98 39.46,45.66 39.46,45.99 39.05,46.4 38.6,46.4 38.4,46.2 38.4,45.8 38.2,45.6 37.8,45.6 37.6,45.8 37.6,46.2 37.4,46.4 37,46.4 36.8,46.2 36.8,45.8 36.6,45.6 36.2,45.6 36,45.8 36,46.2 35.8,46.4 33.8,46.4 33.6,46.2 33.6,45.8 33.4,45.6 33,45.6 32.8,45.4 32.8,45 32.6,44.8 32.15,44.8 32.01,44.66 32.01,44.49 32.1,44.4 U4.U10
LR_UR_NS_RD_WAIT_P: length 29.3
  SIGNAL_L12-X w0.089: U8.B12 34.4,38.6 34.6,38.4 35,38.4 35.2,38.2 35.2,37.8 35.4,37.6 35.85,37.6 36,37.75 36,38.25 36.15,38.4 36.65,38.4 36.8,38.25 36.8,37.75 36.95,37.6 37.45,37.6 37.6,37.75 37.6,38.25 37.75,38.4 38.25,38.4 38.4,38.25 38.4,37.75 38.55,37.6 39.2,37.6 39.75,38.15 39.75,38.3 39.55,38.5 39.3,38.5 39.2,38.6 39.2,38.85 39.3,38.95 39.75,38.95 39.9,39.1 39.9,39.3 39.8,39.4 39.65,39.4 39.5,39.55 39.5,39.75 39.91,40.16 39.91,42.74 39.25,43.4 39.25,43.75 39,44 38.6,44 38.4,43.8 38.4,43.35 38.25,43.2 37.75,43.2 37.6,43.35 37.6,43.85 37.45,44 36.95,44 36.8,43.85 36.8,43.35 36.65,43.2 36.15,43.2 36,43.35 36,43.85 35.85,44 35.35,44 35.2,43.85 35.2,43.35 35.05,43.2 34.55,43.2 34.4,43.35 34.4,43.85 34.25,44 33,44 32.8,43.8 32.8,43.4 32.61,43.22 32.19,43.22 32,43.4 32,44 U4.U9
LR_UR_NS_WR_WAIT_N: length 29.1
  SIGNAL_L12-X w0.089: U4.T9 32,44.8 32.6,44.8 32.8,45 32.8,45.4 33,45.6 39,45.6 39.25,45.35 39.25,44.86 39.47,44.64 39.47,44.15 39.69,43.93 39.69,43.58 40.35,42.92 40.35,38.13 39.68,37.45 39.68,36.63 39.05,36 38.6,36 38.4,36.2 38.4,36.6 38.2,36.8 37.8,36.8 37.6,36.6 37.6,36.2 37.4,36 37,36 36.8,36.2 36.8,36.6 36.6,36.8 36.2,36.8 36,36.6 36,36.2 35.8,36 33.8,36 33.6,36.2 33.6,36.6 33.4,36.8 33,36.8 32.8,37 32.8,37.4 32.6,37.6 U8.C10
LR_UR_NS_WR_WAIT_P: length 29.3
  SIGNAL_L5-X w0.114: U8.C11 33.4,37.6 33.6,37.4 33.6,36.2 33.8,36 39.6,36 40.35,36.75 40.35,37.3 41.26,38.21 41.26,43.55 41.01,43.8 41.01,44.55 39.94,45.62 36.14,45.62 36,45.75 36,46.2 35.8,46.4 34.6,46.4 34.4,46.2 34.4,45.8 34.2,45.6 31.35,45.6 U4.T8
LR_UR_SN_DATA_N_0: length 55
  SIGNAL_L4-Y w0.114: U8.R12 34.4,28.8 34.4,29.4 34.6,29.6 39,29.6 39.19,29.79 39.19,41 39.35,41.16 39.35,42.25 39.19,42.41 39.19,57.45 38.52,58.12 35.05,58.12 34.73,57.8 32.26,57.8 32.14,57.92 32.14,58.43 32.02,58.55 31.78,58.55 31.66,58.43 31.66,57.92 31.54,57.8 31.21,57.8 31.09,57.92 31.09,58.43 30.97,58.55 30.73,58.55 30.61,58.43 30.61,57.92 30.49,57.8 30.25,57.8 30.13,57.92 30.13,58.43 30.01,58.55 29.77,58.55 29.65,58.43 29.65,57.92 29.53,57.8 29.29,57.8 29.13,57.97 29.13,58.25 29,58.38 28.68,58.38 28.58,58.27 28.58,57.67 28.8,57.45 28.8,56.15 28.65,56 26.5,56 26.4,56.1 26.4,56.8 U4.A2
LR_UR_SN_DATA_N_1: length 55
  SIGNAL_L11-Y w0.089: U8.T13 35.2,28 35.2,31.8 35.4,32 37.4,32 37.6,32.2 37.6,32.6 37.4,32.8 35.4,32.8 35.2,33 35.2,33.45 35.35,33.6 37.4,33.6 37.6,33.8 37.6,34.2 37.4,34.4 35.4,34.4 35.2,34.6 35.2,35 35.4,35.2 37.4,35.2 37.6,35.4 37.6,39.95 36.85,40.7 36.85,41.3 37.05,41.5 37.05,41.78 36.85,41.98 36.85,42.2 37.15,42.5 37.7,42.5 38.4,43.2 38.4,57.45 38.05,57.8 27.55,57.8 27.2,57.45 27.2,56.8 U4.B3
